# Altium PCB HORNET-1-IPG.PcbDoc (part 8 of 8)
Units mm, origin at the board's own origin, x right, y up, seen from the top; angles counter-clockwise.
Board outline 91.44 x 90.73 mm, 8 copper layers (TOP, AVERT, AHOR, GND, POWER, DVERT, DHOR, BOT), stack 0.686 mm thick; 726 components, 412 nets, 2077 pads, 2674 vias.
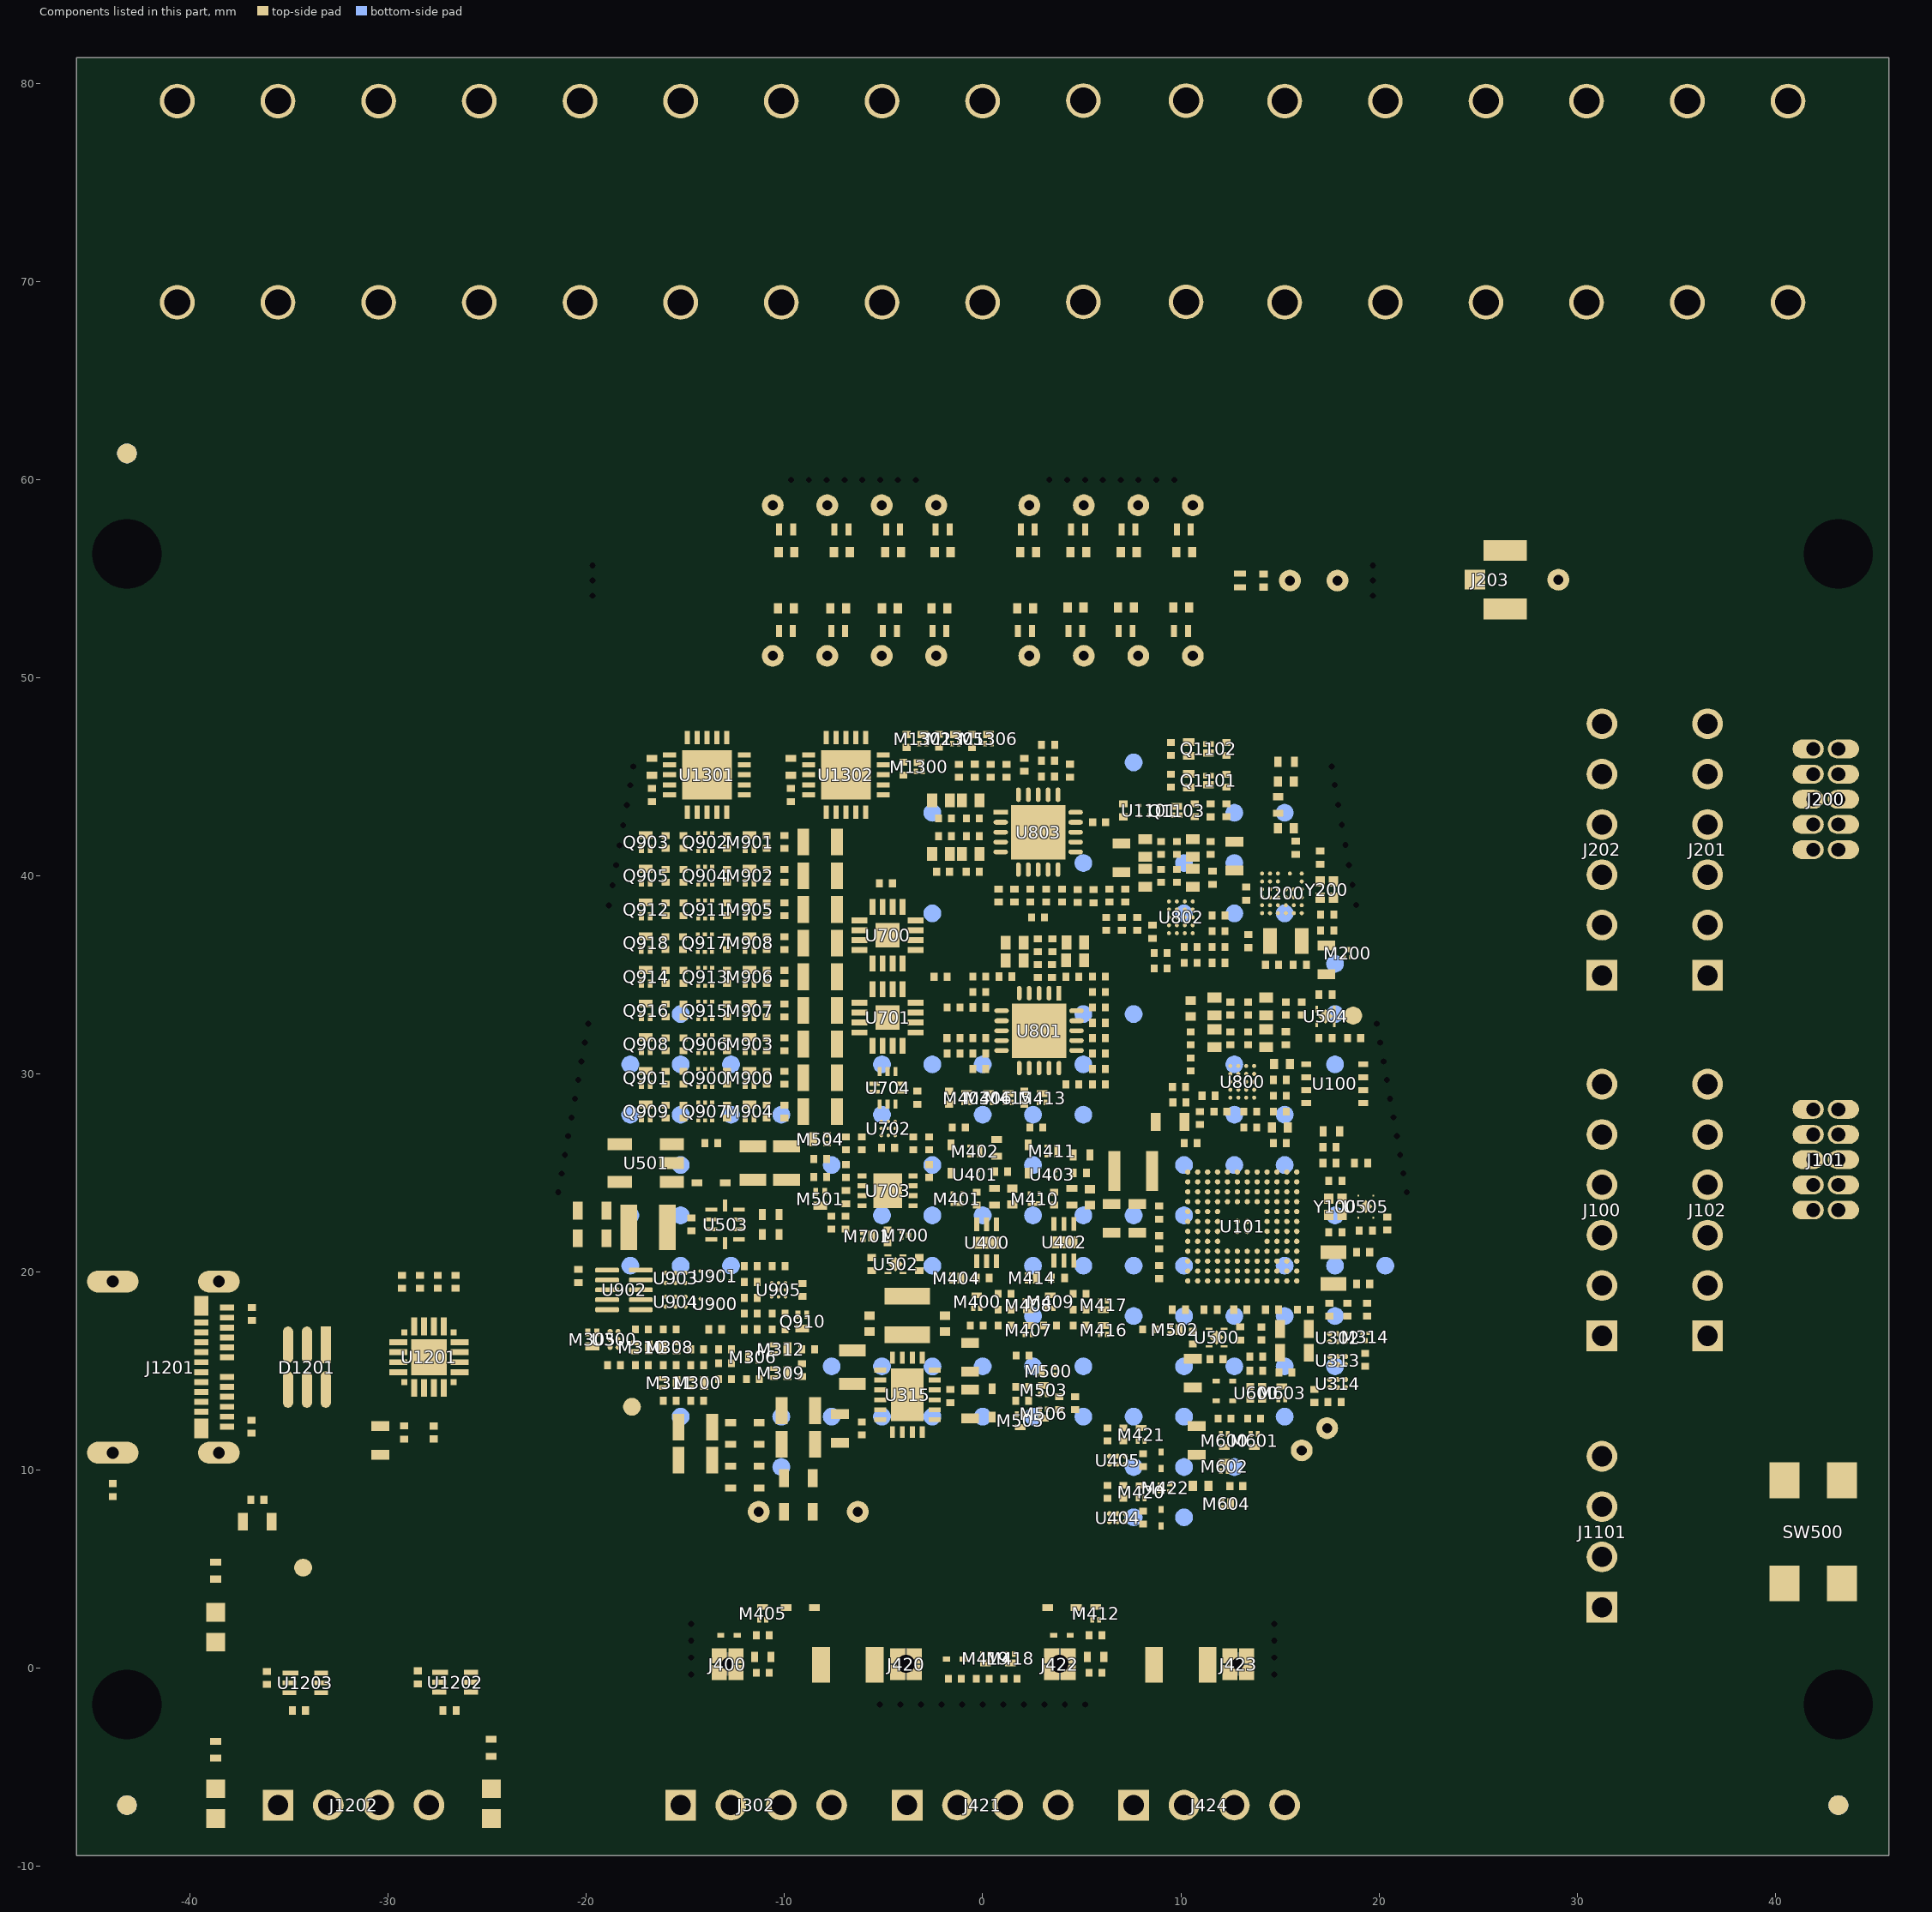
[diagram p14: the components of this part, seen from the top]

## Silkscreen, mask and mechanical layers (free items; w line width, h text height)
Top Overlay:
  lines w0.05: 0.737,35.458 0.737,36.017 ; 5.563,35.484 5.563,36.017
  lines w0.127: 26.34,32.212 44.983,32.212 ; 34.165,15.064 34.165,49.354 ; 39.247,15.064 39.247,49.354 ; 42.545,16.107 42.539,17.116 42.545,18.124 42.539,19.139 42.539,20.141 42.539,21.149 ; 42.545,34.296 42.539,35.305 42.545,36.313 42.539,37.328 42.539,38.33 42.539,39.338 ; 44.272,17.116 40.818,17.116 ; 44.272,18.124 40.818,18.124 ; 44.272,19.132 40.818,19.145 ; 44.272,20.141 40.818,20.141 ; 44.272,35.305 40.818,35.305 ; 44.272,36.313 40.818,36.313 ; 44.272,37.321 40.818,37.334 ; 44.272,38.33 40.818,38.33 ; 40.818,17.116 40.818,18.124 ; 40.818,17.116 40.818,16.107 44.272,16.107 44.272,17.136 44.272,18.228 44.272,19.129 44.272,20.107 44.272,21.149 42.539,21.149 ; 40.818,18.124 40.818,19.145 ; 40.818,19.145 40.818,20.141 ; 40.818,20.141 40.818,21.149 42.539,21.149 ; 40.818,35.305 40.818,34.296 44.272,34.296 44.272,35.325 44.272,36.417 44.272,37.318 44.272,38.296 44.272,39.338 42.539,39.338 ; 40.818,35.305 40.818,36.313 ; 40.818,36.313 40.818,37.334 ; 40.818,37.334 40.818,38.33 ; 40.818,38.33 40.818,39.338 42.539,39.338
  lines w0.25: 26.17,25.67 26.17,30.75 28.71,30.75 28.71,25.67 26.17,25.67 ; 26.17,33.699 26.17,39.103 28.71,39.103 28.71,33.699 26.17,33.699
  text "CH1" at -41.923,65.75 h1.1
  text "CH2" at -37.026,65.75 h1.1
  text "CH3" at -31.946,65.75 h1.1
  text "CH4" at -26.866,65.75 h1.1
  text "CH5" at -21.786,65.75 h1.1
  text "CH6" at -16.706,65.75 h1.1
  text "CH7" at -11.626,65.75 h1.1
  text "CH8" at -6.546,65.75 h1.1
  text "CH9" at -1.466,65.75 h1.1
  text "CH11" at 3.263,65.75 h1.1
  text "CH10" at 8.363,65.75 h1.1
  text "CH12" at 13.316,65.75 h1.1
  text "CH13" at 18.396,65.75 h1.1
  text "CH14" at 23.476,65.75 h1.1
  text "CH15" at 28.556,65.75 h1.1
  text "CH16" at 33.636,65.75 h1.1
  text "ENCL" at 38.624,65.75 h1.1
  text "SNS1" at -42.124,64.275 h0.89
  text "SNS2" at -37.192,64.275 h0.89
  text "SNS3" at -32.112,64.275 h0.89
  text "SNS4" at -27.032,64.275 h0.89
  text "VNB1" at -21.804,64.275 h0.89
  text "VNB2" at -16.872,64.275 h0.89
  text "VNB3" at -11.792,64.275 h0.89
  text "VNB4" at -6.713,64.275 h0.89
  text "EMG1+" at -2.003,64.275 h0.89
  text "EMG1-" at 3.004,64.275 h0.89
  text "RR+" at 9.102,64.275 h0.89
  text "RR-" at 14.052,64.275 h0.89
  text "SCL" at 19.132,64.275 h0.89
  text "ACC" at 24.215,64.275 h0.89
  text "SDA" at 29.212,64.275 h0.89
  text "GND" at 34.235,64.275 h0.89
  text "ENG+" at -21.956,62.694 h0.89
  text "ENG-" at -16.876,62.694 h0.89
  text "EMG2+" at -7.16,62.694 h0.89
  text "HR+" at 9.102,62.694 h0.89
  text "HR-" at 14.049,62.694 h0.89
  text "EMG2-" at -12.192,62.646 h0.89
  text "SWD" at 34.95,50.064 h1.27
  text "JTAG" at 40.132,47.869 h1.27
  text "TX" at 33.517,44.706 h0.51 r90
  text "RST" at 38.783,44.537 h0.44 r90
  text "RX" at 33.453,42.219 h0.44 r90
  text "CLK" at 38.783,41.997 h0.44 r90
  text "SERIAL" at 29.115,41.685 h1.27 r90
  text "VDD" at 33.453,39.457 h0.44 r90
  text "SWDIO" at 38.783,39.049 h0.44 r90
  text "RST" at 41.292,38.665 h0.33
  text "GND" at 42.994,38.665 h0.33
  text "NC" at 43.134,37.7 h0.33
  text "NC" at 41.432,37.674 h0.33
  text "GND" at 38.783,36.917 h0.44 r90
  text "NC" at 41.432,36.684 h0.33
  text "GND" at 42.968,36.684 h0.33
  text "CLK" at 41.241,35.668 h0.33
  text "GND" at 42.968,35.642 h0.33
  text "SWDIO" at 40.939,34.652 h0.33
  text "VDD" at 42.968,34.626 h0.33
  text "GND" at 33.453,34.377 h0.44 r90
  text "VDD" at 38.783,34.377 h0.44 r90
  text "BLE" at 28.405,34.005 h1.52 r90
  text "HORNET-1-IPG" at -42.367,30.709 h1.52 r90
  text "SN:.VerMay..VerMin..Rev-" at -35.992,29.949 h1.52 r90
  text "JTAG" at 40.103,29.744 h1.27
  text "SWO" at 38.783,28.888 h0.44 r90
  text "Rev .Rev - Ver .VerMay..VerMin" at -39.357,28.397 h1.52 r90
  text "RST" at 38.783,26.348 h0.44 r90
  text "MCU" at 28.202,26.179 h1.52 r90
  text "RX" at 33.453,24.03 h0.44 r90
  text "CLK" at 38.783,23.808 h0.44 r90
  text "TX" at 33.453,21.49 h0.44 r90
  text "SWDIO" at 38.783,20.86 h0.44 r90
  text "RST" at 41.292,20.476 h0.33
  text "GND" at 42.994,20.476 h0.33
  text "NC" at 43.134,19.511 h0.33
  text "NC" at 41.432,19.485 h0.33
  text "VDD" at 33.453,18.728 h0.44 r90
  text "GND" at 38.783,18.728 h0.44 r90
  text "SWO" at 41.267,18.495 h0.33
  text "GND" at 42.968,18.495 h0.33
  text "CLK" at 41.241,17.479 h0.33
  text "GND" at 42.968,17.453 h0.33
  text "SWDIO" at 40.939,16.463 h0.33
  text "VDD" at 42.968,16.437 h0.33
  text "GND" at 33.453,16.188 h0.44 r90
  text "VDD" at 38.783,16.188 h0.44 r90
  text "SERIAL" at 29.134,15.545 h1.27 r90
  text "SWD" at 34.92,13.363 h1.27
  text "GND" at 33.453,10.108 h0.44 r90
  text "VDD" at 33.453,7.568 h0.44 r90
  text "I2C" at 29.345,5.303 h1.27 r90
  text "SDA" at 33.453,5.028 h0.44 r90
  text "MCU / RESET" at 38.242,4.419 h1.02 r90
  text "VBUS" at -35.698,3.479 h0.6
  text "SCL" at 33.453,2.488 h0.44 r90
  text "TOP" at 32.843,-3.581 h1.52
  text "VBAT1R" at -32.766,-5.156 h0.51 r90
  text "VBAT2R" at -30.226,-5.156 h0.51 r90
  text "VRECT" at -14.473,-5.283 h0.76
  text "GND" at -8.559,-5.283 h0.76
  text "VBAT1R" at -3.283,-5.283 h0.76
  text "VGND1R" at 1.72,-5.283 h0.76
  text "VBAT2R" at 8.002,-5.283 h0.76
  text "VGND2R" at 13.082,-5.283 h0.76
Bottom Overlay:
  text "BOTTOM" at 39.103,-3.581 h1.52
M2_RigidBoard:
  drawing of 172 lines, arcs and shapes, not listed
M3_FlexOnly:
  lines w0.127: -15.886,47.893 -12.319,47.893 -12.319,53.373 -18.923,53.373 -18.923,51.021 ccw(c-18.162,51.02) -18.161,50.259 -16.637,50.259 cw(c-16.638,49.496) -15.875,49.497 -15.875,47.893 ; -2.603,3.759 -2.603,10.922 2.604,10.922 2.604,3.759 -2.603,3.759 ; 12.319,47.893 15.875,47.893 15.875,49.497 cw(c16.638,49.496) 16.637,50.259 18.161,50.259 ccw(c18.162,51.02) 18.923,51.021 18.923,53.373 12.319,53.373 12.319,47.893
M4_RigidRail:
  lines w0.127: -23.86,61.925 -10.501,61.925 ; -23.851,55.659 -23.851,61.925 ; -23.844,55.659 -19.685,55.659 -19.685,54.135 -23.844,54.135 -23.844,46.05 -17.528,46.05 -18.957,37.973 -23.851,37.973 -23.851,33.071 -19.812,33.071 -21.513,23.487 -23.846,23.487 -23.846,2.235 -14.706,2.235 -14.706,-0.305 -23.851,-0.305 -23.851,-3.852 -5.182,-3.852 -5.182,-1.829 5.182,-1.829 5.182,-3.852 23.853,-3.852 23.853,-0.305 14.706,-0.305 14.706,2.235 23.853,2.235 23.853,24.027 ; -10.495,61.925 -10.495,59.977 -2.549,59.977 -2.549,61.925 2.549,61.925 2.549,59.969 10.495,59.969 10.495,61.925 23.853,61.925 23.853,55.809 19.675,55.809 ; 17.509,46.069 18.941,37.978 23.825,37.978 ; 17.52,46.071 23.853,46.071 23.853,53.986 19.676,53.986 ; 19.67,55.809 19.67,54.285 19.67,53.986 ; 19.798,33.057 21.496,23.486 ; 19.813,33.071 23.851,33.071 ; 21.496,23.484 23.853,23.484 ; 23.853,33.071 23.853,37.978 ; 45.72,3.465 45.72,6.755 45.72,9.4 45.72,22.953 45.72,81.28 -45.72,81.28 -45.72,-9.449 0.186,-9.449 12.22,-9.449 17.72,-9.449 45.72,-9.449 45.72,3.636
Sheet:
  circle w0.127: c-12.879,0.221 r0.303
  circle w0.127: c-12.879,0.221 r0.303
  circle w0.127: c-3.875,0.221 r0.456
  circle w0.127: c-3.875,0.221 r0.456
  circle w0.127: c3.875,0.221 r0.456
  circle w0.127: c3.875,0.221 r0.456
  circle w0.127: c12.879,0.221 r0.303
  circle w0.127: c12.879,0.221 r0.303